# Altium PCB PCB4.PcbDoc (part 8 of 12) (continued)
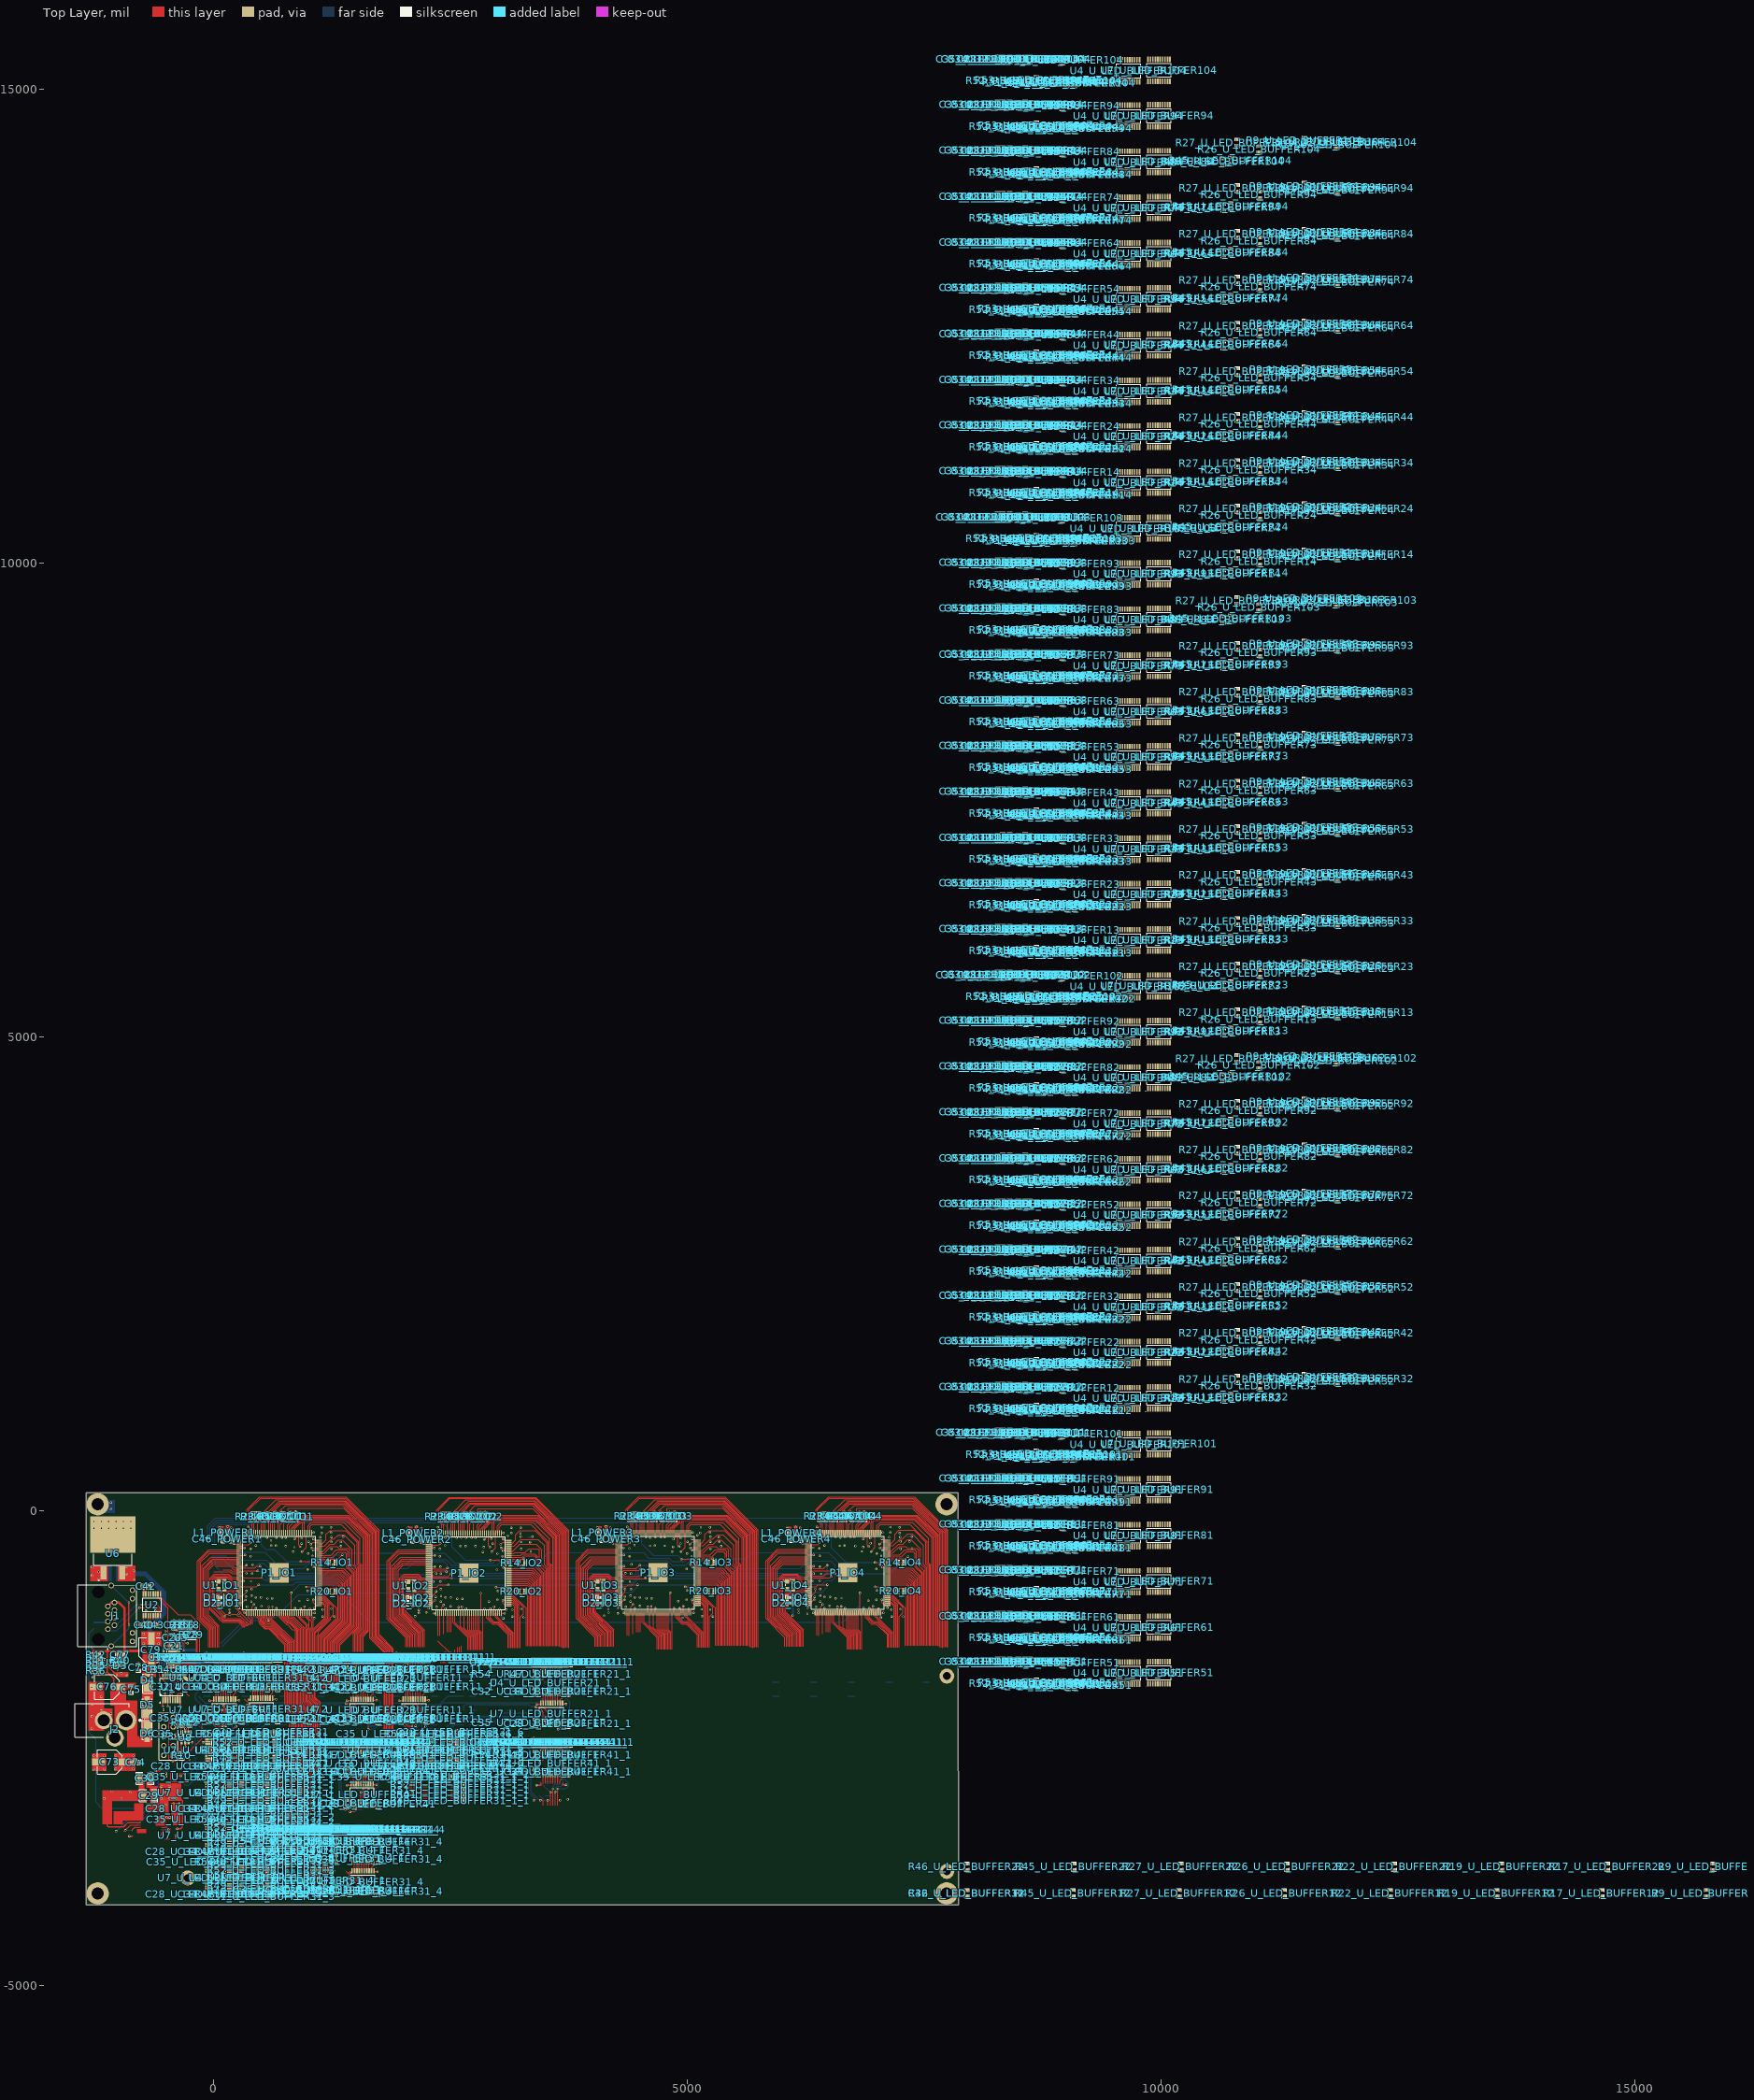
[diagram p0: Top Layer view]
## Nets (pads, with @x,y where several pads share a name; then routed paths per layer and width w, separated by ;. In a path a pad name is that pad's centre, name@x,y a point inside that pad or via, vN(x,y) a via of type N, cw(c..) or ccw(c..) an arc to the next point about the centre after c; other vN are vias at no path point) (continued)
L_OUT7_U_LED_BUFFER72: R45_U_LED_BUFFER72.2 U7_U_LED_BUFFER72.12
L_OUT7_U_LED_BUFFER73: R45_U_LED_BUFFER73.2 U7_U_LED_BUFFER73.12
L_OUT7_U_LED_BUFFER74: R45_U_LED_BUFFER74.2 U7_U_LED_BUFFER74.12
L_OUT7_U_LED_BUFFER81: R45_U_LED_BUFFER81.2 U7_U_LED_BUFFER81.12
L_OUT7_U_LED_BUFFER82: R45_U_LED_BUFFER82.2 U7_U_LED_BUFFER82.12
L_OUT7_U_LED_BUFFER83: R45_U_LED_BUFFER83.2 U7_U_LED_BUFFER83.12
L_OUT7_U_LED_BUFFER84: R45_U_LED_BUFFER84.2 U7_U_LED_BUFFER84.12
L_OUT7_U_LED_BUFFER91: R45_U_LED_BUFFER91.2 U7_U_LED_BUFFER91.12
L_OUT7_U_LED_BUFFER92: R45_U_LED_BUFFER92.2 U7_U_LED_BUFFER92.12
L_OUT7_U_LED_BUFFER93: R45_U_LED_BUFFER93.2 U7_U_LED_BUFFER93.12
L_OUT7_U_LED_BUFFER94: R45_U_LED_BUFFER94.2 U7_U_LED_BUFFER94.12
L_OUT7_U_LED_BUFFER101: R45_U_LED_BUFFER101.2 U7_U_LED_BUFFER101.12
L_OUT7_U_LED_BUFFER102: R45_U_LED_BUFFER102.2 U7_U_LED_BUFFER102.12
L_OUT7_U_LED_BUFFER103: R45_U_LED_BUFFER103.2 U7_U_LED_BUFFER103.12
L_OUT7_U_LED_BUFFER104: R45_U_LED_BUFFER104.2 U7_U_LED_BUFFER104.12
L_OUT8_U_LED_BUFFER11: R46_U_LED_BUFFER11.2 U7_U_LED_BUFFER11.11 | length 892.9
  Top Layer w7: U7_U_LED_BUFFER11.11@4.9,-2215.35 4.9,-2254.04 37.84,-2286.98 110,-2286.98 132.5,-2264.48 v1(134.39,-2264.48)
  Bottom Layer w7: v1(134.39,-2264.48) 134.39,-2260.44 130,-2256.05 205.69,-2180.36 205.69,-2086.96 252.65,-2040 385.87,-2040 475.87,-1950 R46_U_LED_BUFFER11.2@640,-1950
L_OUT8_U_LED_BUFFER12: R46_U_LED_BUFFER12.2 U7_U_LED_BUFFER12.11
L_OUT8_U_LED_BUFFER13: R46_U_LED_BUFFER13.2 U7_U_LED_BUFFER13.11
L_OUT8_U_LED_BUFFER14: R46_U_LED_BUFFER14.2 U7_U_LED_BUFFER14.11
L_OUT8_U_LED_BUFFER21: R46_U_LED_BUFFER21.2 U7_U_LED_BUFFER21.11 | length 1714.7
  Bottom Layer w7: R46_U_LED_BUFFER21.2@-160,-2250 -160,-2252.5 -148.5,-2264 -146,-2264 -109.02,-2300.98 186.07,-2300.98 201.15,-2285.9 201.15,-2238.85 256.89,-2183.11 824.39,-2183.11 830,-2177.5 1397.5,-2177.5 1425.68,-2205.68 1437.64,-2205.68 1440.57,-2208.61
  other v1: 1440.57,-2168.61
L_OUT8_U_LED_BUFFER22: R46_U_LED_BUFFER22.2 U7_U_LED_BUFFER22.11
L_OUT8_U_LED_BUFFER23: R46_U_LED_BUFFER23.2 U7_U_LED_BUFFER23.11
L_OUT8_U_LED_BUFFER24: R46_U_LED_BUFFER24.2 U7_U_LED_BUFFER24.11
L_OUT8_U_LED_BUFFER31: R46_U_LED_BUFFER31.2 U7_U_LED_BUFFER31.11 | length 1157.6
  Top Layer w7: U7_U_LED_BUFFER31.11@-55.67,-2404.84 -25.16,-2404.84 0,-2430 v1@10,-2430
  Bottom Layer w7: v1(5,-2430) 161.42,-2430 221.42,-2370 463.97,-2370 475.13,-2358.84 998.84,-2358.84 R46_U_LED_BUFFER31.2@1040,-2400
L_OUT8_U_LED_BUFFER32: R46_U_LED_BUFFER32.2 U7_U_LED_BUFFER32.11
L_OUT8_U_LED_BUFFER33: R46_U_LED_BUFFER33.2 U7_U_LED_BUFFER33.11
L_OUT8_U_LED_BUFFER34: R46_U_LED_BUFFER34.2 U7_U_LED_BUFFER34.11
L_OUT8_U_LED_BUFFER41: R46_U_LED_BUFFER41.2 U7_U_LED_BUFFER41.11 | length 1428.2
  Top Layer w7: v1@1390,-3150 1420,-3150 1454.84,-3115.16 U7_U_LED_BUFFER41.11@1454.84,-3105.67
  Bottom Layer w7: R46_U_LED_BUFFER41.2@640,-2550 640,-2540 690,-2490 890,-2490 990,-2590 1300,-2590 1330,-2620 1330,-2968.18 1389.32,-3027.5 1402.5,-3040.68 1402.5,-3137.5 v1(1390.22,-3149.78)
L_OUT8_U_LED_BUFFER42: R46_U_LED_BUFFER42.2 U7_U_LED_BUFFER42.11
L_OUT8_U_LED_BUFFER43: R46_U_LED_BUFFER43.2 U7_U_LED_BUFFER43.11
L_OUT8_U_LED_BUFFER44: R46_U_LED_BUFFER44.2 U7_U_LED_BUFFER44.11
L_OUT8_U_LED_BUFFER51: R46_U_LED_BUFFER51.2 U7_U_LED_BUFFER51.11
L_OUT8_U_LED_BUFFER52: R46_U_LED_BUFFER52.2 U7_U_LED_BUFFER52.11
L_OUT8_U_LED_BUFFER53: R46_U_LED_BUFFER53.2 U7_U_LED_BUFFER53.11
L_OUT8_U_LED_BUFFER54: R46_U_LED_BUFFER54.2 U7_U_LED_BUFFER54.11
L_OUT8_U_LED_BUFFER61: R46_U_LED_BUFFER61.2 U7_U_LED_BUFFER61.11
L_OUT8_U_LED_BUFFER62: R46_U_LED_BUFFER62.2 U7_U_LED_BUFFER62.11
L_OUT8_U_LED_BUFFER63: R46_U_LED_BUFFER63.2 U7_U_LED_BUFFER63.11
L_OUT8_U_LED_BUFFER64: R46_U_LED_BUFFER64.2 U7_U_LED_BUFFER64.11
L_OUT8_U_LED_BUFFER71: R46_U_LED_BUFFER71.2 U7_U_LED_BUFFER71.11
L_OUT8_U_LED_BUFFER72: R46_U_LED_BUFFER72.2 U7_U_LED_BUFFER72.11
L_OUT8_U_LED_BUFFER73: R46_U_LED_BUFFER73.2 U7_U_LED_BUFFER73.11
L_OUT8_U_LED_BUFFER74: R46_U_LED_BUFFER74.2 U7_U_LED_BUFFER74.11
L_OUT8_U_LED_BUFFER81: R46_U_LED_BUFFER81.2 U4_U_LED_BUFFER31_4_1.11 U7_U_LED_BUFFER81.11 | length 84.7
  Top Layer w15: U4_U_LED_BUFFER31_4_1.11@1004.84,-3685.67 1004.84,-3644.67 1034.33,-3615.18 v1(1036.28,-3615.18)
L_OUT8_U_LED_BUFFER82: R46_U_LED_BUFFER82.2 U7_U_LED_BUFFER82.11
L_OUT8_U_LED_BUFFER83: R46_U_LED_BUFFER83.2 U7_U_LED_BUFFER83.11
L_OUT8_U_LED_BUFFER84: R46_U_LED_BUFFER84.2 U7_U_LED_BUFFER84.11
L_OUT8_U_LED_BUFFER91: R46_U_LED_BUFFER91.2 U7_U_LED_BUFFER91.11
L_OUT8_U_LED_BUFFER92: R46_U_LED_BUFFER92.2 U7_U_LED_BUFFER92.11
L_OUT8_U_LED_BUFFER93: R46_U_LED_BUFFER93.2 U7_U_LED_BUFFER93.11
L_OUT8_U_LED_BUFFER94: R46_U_LED_BUFFER94.2 U7_U_LED_BUFFER94.11
L_OUT8_U_LED_BUFFER101: R46_U_LED_BUFFER101.2 U7_U_LED_BUFFER101.11
L_OUT8_U_LED_BUFFER102: R46_U_LED_BUFFER102.2 U7_U_LED_BUFFER102.11
L_OUT8_U_LED_BUFFER103: R46_U_LED_BUFFER103.2 U7_U_LED_BUFFER103.11
L_OUT8_U_LED_BUFFER104: R46_U_LED_BUFFER104.2 U7_U_LED_BUFFER104.11
LED0_IO1: P1_IO1.32 R8_IO1.2 | length 94.4
  Top Layer w10: v1(178.2,-912.3) 182.7,-916.8 P1_IO1.32@270.71,-916.8
LED0_IO2: P1_IO2.32 R8_IO2.2 | length 94.4
  Top Layer w10: v1(2179.3,-914.9) 2183.8,-919.4 P1_IO2.32@2271.81,-919.4
LED0_IO3: P1_IO3.32 R8_IO3.2 | length 94.4
  Top Layer w10: v1(4176.2,-911.45) 4180.7,-915.95 P1_IO3.32@4268.71,-915.95
LED0_IO4: P1_IO4.32 R8_IO4.2 | length 94.4
  Top Layer w10: v1(6179.2,-911.3) 6183.7,-915.8 P1_IO4.32@6271.71,-915.8
LED1_IO1: P1_IO1.33 R21_IO1.2 | length 111.6
  Top Layer w10: v1(175.2,-975.3) 198.1,-952.39 214.01,-936.49 P1_IO1.33@270.71,-936.49
LED1_IO2: P1_IO2.33 R21_IO2.2 | length 111.6
  Top Layer w10: v1(2176.3,-977.9) 2199.2,-954.99 2215.11,-939.09 P1_IO2.33@2271.81,-939.09
LED1_IO3: P1_IO3.33 R21_IO3.2 | length 111.6
  Top Layer w10: v1(4173.2,-974.45) 4196.1,-951.54 4212.01,-935.64 P1_IO3.33@4268.71,-935.64
LED1_IO4: P1_IO4.33 R21_IO4.2 | length 111.6
  Top Layer w10: v1(6176.2,-974.3) 6199.1,-951.39 6215.01,-935.49 P1_IO4.33@6271.71,-935.49
NetC18_1: C18.1 L4.1 U3.3 | length 472.6
  Top Layer w12: U3.3@-330.59,-1368.8 -330.59,-1383.8 -317.4,-1396.99 v1(-317.4,-1466.8)
  Bottom Layer w12: v1@-313.12,-1462.52 -302,-1451.4 C18.1@-302,-1227.16
  Bottom Layer w30: v1(-317.4,-1466.8) -194.28,-1466.8 L4.1@-190,-1462.52
NetC18_2: C18.2 R16.2
  other v1: -304,-1150.5
NetC21_2: C21.2 U3.1 | length 60.3
  Top Layer w10: C21.2@-386.18,-1422.4 -369.96,-1406.17 U3.1@-369.96,-1368.8
NetC22_2: C22.2 U3.7 | length 113.7
  Top Layer w12: C22.2@-412.49,-1227.16 -412.49,-1244.51 -391.19,-1265.8 -370.16,-1265.8 -350.27,-1285.7 U3.7@-350.27,-1302.82
NetC25_2: C25.2 R18.1 R28.1 R29.1 | length 131.5
  Top Layer w12: R18.1@-246.1,-1229.9 -246.2,-1230 v1(-246.2,-1257.1) -253.36,-1264.26 -253.36,-1270.13 R28.1@-258.58,-1275.35 R29.1@-207.4,-1275.35
  Bottom Layer w12: v1(-246.2,-1257.1) -246.2,-1227.56 C25.2@-246.1,-1227.46
NetC77_2: C77.2 U5.11 | length 101.2
  Top Layer w7: U5.11@-1060.61,-1590.96 -1048.69,-1590.96 -1037.66,-1579.92 -1037.66,-1549.27 C77.2@-1007.22,-1518.82
NetD1_IO1_1: D1_IO1.1 R8_IO1.1
  other v1: 121.3,-905.2
NetD1_IO2_1: D1_IO2.1 R8_IO2.1
  other v1: 2122.4,-907.8
NetD1_IO3_1: D1_IO3.1 R8_IO3.1
  other v1: 4119.3,-904.35
NetD1_IO4_1: D1_IO4.1 R8_IO4.1
  other v1: 6122.3,-904.2
NetD2_IO1_1: D2_IO1.1 R21_IO1.1 | length 18.7
  Bottom Layer w10: R21_IO1.1@103,-953.5 v1(121.7,-953.5)
NetD2_IO2_1: D2_IO2.1 R21_IO2.1 | length 18.7
  Bottom Layer w10: R21_IO2.1@2104.1,-956.1 v1(2122.8,-956.1)
NetD2_IO3_1: D2_IO3.1 R21_IO3.1 | length 18.7
  Bottom Layer w10: R21_IO3.1@4101,-952.65 v1(4119.7,-952.65)
NetD2_IO4_1: D2_IO4.1 R21_IO4.1 | length 18.7
  Bottom Layer w10: R21_IO4.1@6104,-952.5 v1(6122.7,-952.5)
NetD3_1: D3.1 R37.2
  other v1: -933.76,-1629.52
NetD3_2: D3.2 U5.9 | length 47.8
  Top Layer w7: U5.9@-1060.61,-1630.33 -1016.12,-1630.33 D3.2@-1013.77,-1627.98
NetD4_1: D4.1 D5.2
NetD7_U_LED_BUFFER11_2: D7_U_LED_BUFFER11.2 R9_U_LED_BUFFER11.1 | length 68.5
  Bottom Layer w7: R9_U_LED_BUFFER11.1@-100,-1800 D7_U_LED_BUFFER11.2@-31.5,-1800
NetD7_U_LED_BUFFER12_2: D7_U_LED_BUFFER12.2 R9_U_LED_BUFFER12.1
NetD7_U_LED_BUFFER13_2: D7_U_LED_BUFFER13.2 R9_U_LED_BUFFER13.1
NetD7_U_LED_BUFFER14_2: D7_U_LED_BUFFER14.2 R9_U_LED_BUFFER14.1
NetD7_U_LED_BUFFER21_2: D7_U_LED_BUFFER21.2 R9_U_LED_BUFFER21.1 | length 68.5
  Bottom Layer w7: R9_U_LED_BUFFER21.1@1100,-1950 D7_U_LED_BUFFER21.2@1168.5,-1950
NetD7_U_LED_BUFFER22_2: D7_U_LED_BUFFER22.2 R9_U_LED_BUFFER22.1
NetD7_U_LED_BUFFER23_2: D7_U_LED_BUFFER23.2 R9_U_LED_BUFFER23.1
NetD7_U_LED_BUFFER24_2: D7_U_LED_BUFFER24.2 R9_U_LED_BUFFER24.1
NetD7_U_LED_BUFFER31_2: D7_U_LED_BUFFER31.2 R9_U_LED_BUFFER31.1 | length 68.5
  Bottom Layer w7: R9_U_LED_BUFFER31.1@300,-2250 D7_U_LED_BUFFER31.2@368.5,-2250
NetD7_U_LED_BUFFER32_2: D7_U_LED_BUFFER32.2 R9_U_LED_BUFFER32.1
NetD7_U_LED_BUFFER33_2: D7_U_LED_BUFFER33.2 R9_U_LED_BUFFER33.1
NetD7_U_LED_BUFFER34_2: D7_U_LED_BUFFER34.2 R9_U_LED_BUFFER34.1
NetD7_U_LED_BUFFER41_2: D7_U_LED_BUFFER41.2 R9_U_LED_BUFFER41.1 | length 68.5
  Bottom Layer w7: R9_U_LED_BUFFER41.1@1500,-2400 D7_U_LED_BUFFER41.2@1568.5,-2400
NetD7_U_LED_BUFFER42_2: D7_U_LED_BUFFER42.2 R9_U_LED_BUFFER42.1
NetD7_U_LED_BUFFER43_2: D7_U_LED_BUFFER43.2 R9_U_LED_BUFFER43.1
NetD7_U_LED_BUFFER44_2: D7_U_LED_BUFFER44.2 R9_U_LED_BUFFER44.1
NetD7_U_LED_BUFFER51_2: D7_U_LED_BUFFER51.2 R9_U_LED_BUFFER51.1 | length 68.5
  Bottom Layer w7: R9_U_LED_BUFFER51.1@700,-2700 D7_U_LED_BUFFER51.2@768.5,-2700
NetD7_U_LED_BUFFER52_2: D7_U_LED_BUFFER52.2 R9_U_LED_BUFFER52.1
NetD7_U_LED_BUFFER53_2: D7_U_LED_BUFFER53.2 R9_U_LED_BUFFER53.1
NetD7_U_LED_BUFFER54_2: D7_U_LED_BUFFER54.2 R9_U_LED_BUFFER54.1
NetD7_U_LED_BUFFER61_2: D7_U_LED_BUFFER61.2 R9_U_LED_BUFFER61.1 | length 68.5
  Bottom Layer w7: R9_U_LED_BUFFER61.1@-100,-3000 D7_U_LED_BUFFER61.2@-31.5,-3000
NetD7_U_LED_BUFFER62_2: D7_U_LED_BUFFER62.2 R9_U_LED_BUFFER62.1
NetD7_U_LED_BUFFER63_2: D7_U_LED_BUFFER63.2 R9_U_LED_BUFFER63.1
NetD7_U_LED_BUFFER64_2: D7_U_LED_BUFFER64.2 R9_U_LED_BUFFER64.1
NetD7_U_LED_BUFFER71_2: D7_U_LED_BUFFER71.2 R9_U_LED_BUFFER71.1 | length 68.5
  Bottom Layer w7: R9_U_LED_BUFFER71.1@1100,-3150 D7_U_LED_BUFFER71.2@1168.5,-3150
NetD7_U_LED_BUFFER72_2: D7_U_LED_BUFFER72.2 R9_U_LED_BUFFER72.1
NetD7_U_LED_BUFFER73_2: D7_U_LED_BUFFER73.2 R9_U_LED_BUFFER73.1
NetD7_U_LED_BUFFER74_2: D7_U_LED_BUFFER74.2 R9_U_LED_BUFFER74.1
NetD7_U_LED_BUFFER81_2: D7_U_LED_BUFFER81.2 R9_U_LED_BUFFER81.1 | length 68.5
  Bottom Layer w7: R9_U_LED_BUFFER81.1@300,-3450 D7_U_LED_BUFFER81.2@368.5,-3450
NetD7_U_LED_BUFFER82_2: D7_U_LED_BUFFER82.2 R9_U_LED_BUFFER82.1
NetD7_U_LED_BUFFER83_2: D7_U_LED_BUFFER83.2 R9_U_LED_BUFFER83.1
NetD7_U_LED_BUFFER84_2: D7_U_LED_BUFFER84.2 R9_U_LED_BUFFER84.1
NetD7_U_LED_BUFFER91_2: D7_U_LED_BUFFER91.2 R9_U_LED_BUFFER91.1 U4_U_LED_BUFFER31_4.11 | length 153.2
  Top Layer w15: U4_U_LED_BUFFER31_4.11@1464.84,-3695.67 1464.84,-3654.67 1494.33,-3625.18 v1(1496.28,-3625.18)
  Bottom Layer w7: R9_U_LED_BUFFER91.1@1500,-3600 D7_U_LED_BUFFER91.2@1568.5,-3600
NetD7_U_LED_BUFFER92_2: D7_U_LED_BUFFER92.2 R9_U_LED_BUFFER92.1
NetD7_U_LED_BUFFER93_2: D7_U_LED_BUFFER93.2 R9_U_LED_BUFFER93.1
NetD7_U_LED_BUFFER94_2: D7_U_LED_BUFFER94.2 R9_U_LED_BUFFER94.1
NetD7_U_LED_BUFFER101_2: D7_U_LED_BUFFER101.2 R9_U_LED_BUFFER101.1 | length 68.5
  Bottom Layer w7: R9_U_LED_BUFFER101.1@700,-3900 D7_U_LED_BUFFER101.2@768.5,-3900
NetD7_U_LED_BUFFER102_2: D7_U_LED_BUFFER102.2 R9_U_LED_BUFFER102.1
NetD7_U_LED_BUFFER103_2: D7_U_LED_BUFFER103.2 R9_U_LED_BUFFER103.1
NetD7_U_LED_BUFFER104_2: D7_U_LED_BUFFER104.2 R9_U_LED_BUFFER104.1
NetD8_U_LED_BUFFER11_2: D8_U_LED_BUFFER11.2 R17_U_LED_BUFFER11.1 | length 68.5
  Bottom Layer w7: R17_U_LED_BUFFER11.1@300,-1800 D8_U_LED_BUFFER11.2@368.5,-1800
NetD8_U_LED_BUFFER12_2: D8_U_LED_BUFFER12.2 R17_U_LED_BUFFER12.1
NetD8_U_LED_BUFFER13_2: D8_U_LED_BUFFER13.2 R17_U_LED_BUFFER13.1
NetD8_U_LED_BUFFER14_2: D8_U_LED_BUFFER14.2 R17_U_LED_BUFFER14.1
NetD8_U_LED_BUFFER21_2: D8_U_LED_BUFFER21.2 R17_U_LED_BUFFER21.1 | length 68.5
  Bottom Layer w7: R17_U_LED_BUFFER21.1@1500,-1950 D8_U_LED_BUFFER21.2@1568.5,-1950
NetD8_U_LED_BUFFER22_2: D8_U_LED_BUFFER22.2 R17_U_LED_BUFFER22.1
NetD8_U_LED_BUFFER23_2: D8_U_LED_BUFFER23.2 R17_U_LED_BUFFER23.1
NetD8_U_LED_BUFFER24_2: D8_U_LED_BUFFER24.2 R17_U_LED_BUFFER24.1
NetD8_U_LED_BUFFER31_2: D8_U_LED_BUFFER31.2 R17_U_LED_BUFFER31.1 | length 68.5
  Bottom Layer w7: R17_U_LED_BUFFER31.1@700,-2250 D8_U_LED_BUFFER31.2@768.5,-2250
NetD8_U_LED_BUFFER32_2: D8_U_LED_BUFFER32.2 R17_U_LED_BUFFER32.1
NetD8_U_LED_BUFFER33_2: D8_U_LED_BUFFER33.2 R17_U_LED_BUFFER33.1
NetD8_U_LED_BUFFER34_2: D8_U_LED_BUFFER34.2 R17_U_LED_BUFFER34.1
NetD8_U_LED_BUFFER41_2: D8_U_LED_BUFFER41.2 R17_U_LED_BUFFER41.1 | length 68.5
  Bottom Layer w7: R17_U_LED_BUFFER41.1@1500,-2550 D8_U_LED_BUFFER41.2@1568.5,-2550
NetD8_U_LED_BUFFER42_2: D8_U_LED_BUFFER42.2 R17_U_LED_BUFFER42.1
NetD8_U_LED_BUFFER43_2: D8_U_LED_BUFFER43.2 R17_U_LED_BUFFER43.1
NetD8_U_LED_BUFFER44_2: D8_U_LED_BUFFER44.2 R17_U_LED_BUFFER44.1
NetD8_U_LED_BUFFER51_2: D8_U_LED_BUFFER51.2 R17_U_LED_BUFFER51.1 | length 68.5
  Bottom Layer w7: R17_U_LED_BUFFER51.1@1100,-2700 D8_U_LED_BUFFER51.2@1168.5,-2700
NetD8_U_LED_BUFFER52_2: D8_U_LED_BUFFER52.2 R17_U_LED_BUFFER52.1
NetD8_U_LED_BUFFER53_2: D8_U_LED_BUFFER53.2 R17_U_LED_BUFFER53.1
NetD8_U_LED_BUFFER54_2: D8_U_LED_BUFFER54.2 R17_U_LED_BUFFER54.1
NetD8_U_LED_BUFFER61_2: D8_U_LED_BUFFER61.2 R17_U_LED_BUFFER61.1 | length 68.5
  Bottom Layer w7: R17_U_LED_BUFFER61.1@300,-3000 D8_U_LED_BUFFER61.2@368.5,-3000
NetD8_U_LED_BUFFER62_2: D8_U_LED_BUFFER62.2 R17_U_LED_BUFFER62.1
NetD8_U_LED_BUFFER63_2: D8_U_LED_BUFFER63.2 R17_U_LED_BUFFER63.1
NetD8_U_LED_BUFFER64_2: D8_U_LED_BUFFER64.2 R17_U_LED_BUFFER64.1
NetD8_U_LED_BUFFER71_2: D7_U_LED_BUFFER61_1.2 D8_U_LED_BUFFER71.2 R17_U_LED_BUFFER71.1 | length 137
  Bottom Layer w7: 1900,-3000 D7_U_LED_BUFFER61_1.2@1968.5,-3000 ; R17_U_LED_BUFFER71.1@1920,-3000 D8_U_LED_BUFFER71.2@1988.5,-3000
NetD8_U_LED_BUFFER72_2: D8_U_LED_BUFFER72.2 R17_U_LED_BUFFER72.1
NetD8_U_LED_BUFFER73_2: D8_U_LED_BUFFER73.2 R17_U_LED_BUFFER73.1
NetD8_U_LED_BUFFER74_2: D8_U_LED_BUFFER74.2 R17_U_LED_BUFFER74.1
NetD8_U_LED_BUFFER81_2: D8_U_LED_BUFFER81.2 R17_U_LED_BUFFER81.1 | length 68.5
  Bottom Layer w7: R17_U_LED_BUFFER81.1@700,-3450 D8_U_LED_BUFFER81.2@768.5,-3450
NetD8_U_LED_BUFFER82_2: D8_U_LED_BUFFER82.2 R17_U_LED_BUFFER82.1
NetD8_U_LED_BUFFER83_2: D8_U_LED_BUFFER83.2 R17_U_LED_BUFFER83.1
NetD8_U_LED_BUFFER84_2: D8_U_LED_BUFFER84.2 R17_U_LED_BUFFER84.1
NetD8_U_LED_BUFFER91_2: D8_U_LED_BUFFER91.2 R17_U_LED_BUFFER91.1 | length 68.5
  Bottom Layer w7: R17_U_LED_BUFFER91.1@-100,-3750 D8_U_LED_BUFFER91.2@-31.5,-3750
NetD8_U_LED_BUFFER92_2: D8_U_LED_BUFFER92.2 R17_U_LED_BUFFER92.1
NetD8_U_LED_BUFFER93_2: D8_U_LED_BUFFER93.2 R17_U_LED_BUFFER93.1
NetD8_U_LED_BUFFER94_2: D8_U_LED_BUFFER94.2 R17_U_LED_BUFFER94.1
NetD8_U_LED_BUFFER101_2: D8_U_LED_BUFFER101.2 R17_U_LED_BUFFER101.1 | length 68.5
  Bottom Layer w7: R17_U_LED_BUFFER101.1@1100,-3900 D8_U_LED_BUFFER101.2@1168.5,-3900
NetD8_U_LED_BUFFER102_2: D8_U_LED_BUFFER102.2 R17_U_LED_BUFFER102.1
NetD8_U_LED_BUFFER103_2: D8_U_LED_BUFFER103.2 R17_U_LED_BUFFER103.1
NetD8_U_LED_BUFFER104_2: D8_U_LED_BUFFER104.2 R17_U_LED_BUFFER104.1
NetD9_U_LED_BUFFER11_2: D9_U_LED_BUFFER11.2 R19_U_LED_BUFFER11.1 | length 68.5
  Bottom Layer w7: R19_U_LED_BUFFER11.1@700,-1800 D9_U_LED_BUFFER11.2@768.5,-1800
NetD9_U_LED_BUFFER12_2: D9_U_LED_BUFFER12.2 R19_U_LED_BUFFER12.1
NetD9_U_LED_BUFFER13_2: D9_U_LED_BUFFER13.2 R19_U_LED_BUFFER13.1
NetD9_U_LED_BUFFER14_2: D9_U_LED_BUFFER14.2 R19_U_LED_BUFFER14.1
NetD9_U_LED_BUFFER21_2: D9_U_LED_BUFFER21.2 R19_U_LED_BUFFER21.1 | length 68.5
  Bottom Layer w7: R19_U_LED_BUFFER21.1@-100,-2100 D9_U_LED_BUFFER21.2@-31.5,-2100
NetD9_U_LED_BUFFER22_2: D9_U_LED_BUFFER22.2 R19_U_LED_BUFFER22.1
NetD9_U_LED_BUFFER23_2: D9_U_LED_BUFFER23.2 R19_U_LED_BUFFER23.1
NetD9_U_LED_BUFFER24_2: D9_U_LED_BUFFER24.2 R19_U_LED_BUFFER24.1
NetD9_U_LED_BUFFER31_2: D9_U_LED_BUFFER31.2 R19_U_LED_BUFFER31.1 | length 68.5
  Bottom Layer w7: R19_U_LED_BUFFER31.1@1100,-2250 D9_U_LED_BUFFER31.2@1168.5,-2250
NetD9_U_LED_BUFFER32_2: D9_U_LED_BUFFER32.2 R19_U_LED_BUFFER32.1
NetD9_U_LED_BUFFER33_2: D9_U_LED_BUFFER33.2 R19_U_LED_BUFFER33.1
NetD9_U_LED_BUFFER34_2: D9_U_LED_BUFFER34.2 R19_U_LED_BUFFER34.1
NetD9_U_LED_BUFFER41_2: D9_U_LED_BUFFER41.2 R19_U_LED_BUFFER41.1 | length 68.5
  Bottom Layer w7: R19_U_LED_BUFFER41.1@1500,-2700 D9_U_LED_BUFFER41.2@1568.5,-2700
NetD9_U_LED_BUFFER42_2: D9_U_LED_BUFFER42.2 R19_U_LED_BUFFER42.1
NetD9_U_LED_BUFFER43_2: D9_U_LED_BUFFER43.2 R19_U_LED_BUFFER43.1
NetD9_U_LED_BUFFER44_2: D9_U_LED_BUFFER44.2 R19_U_LED_BUFFER44.1
NetD9_U_LED_BUFFER51_2: D9_U_LED_BUFFER51.2 R19_U_LED_BUFFER51.1 | length 68.5
  Bottom Layer w7: R19_U_LED_BUFFER51.1@2050,-2550 D9_U_LED_BUFFER51.2@2118.5,-2550
NetD9_U_LED_BUFFER52_2: D9_U_LED_BUFFER52.2 R19_U_LED_BUFFER52.1
NetD9_U_LED_BUFFER53_2: D9_U_LED_BUFFER53.2 R19_U_LED_BUFFER53.1
NetD9_U_LED_BUFFER54_2: D9_U_LED_BUFFER54.2 R19_U_LED_BUFFER54.1
NetD9_U_LED_BUFFER61_2: D9_U_LED_BUFFER61.2 R19_U_LED_BUFFER61.1 | length 68.5
  Bottom Layer w7: R19_U_LED_BUFFER61.1@700,-3000 D9_U_LED_BUFFER61.2@768.5,-3000
NetD9_U_LED_BUFFER62_2: D9_U_LED_BUFFER62.2 R19_U_LED_BUFFER62.1
NetD9_U_LED_BUFFER63_2: D9_U_LED_BUFFER63.2 R19_U_LED_BUFFER63.1
NetD9_U_LED_BUFFER64_2: D9_U_LED_BUFFER64.2 R19_U_LED_BUFFER64.1
NetD9_U_LED_BUFFER71_2: D9_U_LED_BUFFER71.2 R19_U_LED_BUFFER71.1 | length 68.5
  Bottom Layer w7: R19_U_LED_BUFFER71.1@-100,-3300 D9_U_LED_BUFFER71.2@-31.5,-3300
NetD9_U_LED_BUFFER72_2: D9_U_LED_BUFFER72.2 R19_U_LED_BUFFER72.1
NetD9_U_LED_BUFFER73_2: D9_U_LED_BUFFER73.2 R19_U_LED_BUFFER73.1
NetD9_U_LED_BUFFER74_2: D9_U_LED_BUFFER74.2 R19_U_LED_BUFFER74.1
NetD9_U_LED_BUFFER81_2: D9_U_LED_BUFFER81.2 R19_U_LED_BUFFER81.1 | length 68.5
  Bottom Layer w7: R19_U_LED_BUFFER81.1@1100,-3450 D9_U_LED_BUFFER81.2@1168.5,-3450
NetD9_U_LED_BUFFER82_2: D9_U_LED_BUFFER82.2 R19_U_LED_BUFFER82.1
NetD9_U_LED_BUFFER83_2: D9_U_LED_BUFFER83.2 R19_U_LED_BUFFER83.1
NetD9_U_LED_BUFFER84_2: D9_U_LED_BUFFER84.2 R19_U_LED_BUFFER84.1
NetD9_U_LED_BUFFER91_2: D9_U_LED_BUFFER91.2 R19_U_LED_BUFFER91.1 | length 68.5
  Bottom Layer w7: R19_U_LED_BUFFER91.1@300,-3750 D9_U_LED_BUFFER91.2@368.5,-3750
NetD9_U_LED_BUFFER92_2: D9_U_LED_BUFFER92.2 R19_U_LED_BUFFER92.1
NetD9_U_LED_BUFFER93_2: D9_U_LED_BUFFER93.2 R19_U_LED_BUFFER93.1
NetD9_U_LED_BUFFER94_2: D9_U_LED_BUFFER94.2 R19_U_LED_BUFFER94.1
NetD9_U_LED_BUFFER101_2: D9_U_LED_BUFFER101.2 R19_U_LED_BUFFER101.1 | length 68.5
  Bottom Layer w7: R19_U_LED_BUFFER101.1@1500,-3900 D9_U_LED_BUFFER101.2@1568.5,-3900
NetD9_U_LED_BUFFER102_2: D9_U_LED_BUFFER102.2 R19_U_LED_BUFFER102.1
NetD9_U_LED_BUFFER103_2: D9_U_LED_BUFFER103.2 R19_U_LED_BUFFER103.1
NetD9_U_LED_BUFFER104_2: D9_U_LED_BUFFER104.2 R19_U_LED_BUFFER104.1
NetD10_U_LED_BUFFER11_2: D10_U_LED_BUFFER11.2 R22_U_LED_BUFFER11.1 | length 68.5
  Bottom Layer w7: R22_U_LED_BUFFER11.1@1100,-1800 D10_U_LED_BUFFER11.2@1168.5,-1800
NetD10_U_LED_BUFFER12_2: D10_U_LED_BUFFER12.2 R22_U_LED_BUFFER12.1
NetD10_U_LED_BUFFER13_2: D10_U_LED_BUFFER13.2 R22_U_LED_BUFFER13.1
NetD10_U_LED_BUFFER14_2: D10_U_LED_BUFFER14.2 R22_U_LED_BUFFER14.1
NetD10_U_LED_BUFFER21_2: D10_U_LED_BUFFER21.2 R22_U_LED_BUFFER21.1 U7_U_LED_BUFFER31_4_2.15 U7_U_LED_BUFFER31_4_2.16 | length 579.8
  Top Layer w7: v1@349.09,-2100.91 350.68,-2102.5 411.59,-2102.5 416.59,-2097.5 477.5,-2097.5 497.2,-2117.2 U7_U_LED_BUFFER31_4_2.15@497.2,-2205.67 ; v1(360,-2080) 360.67,-2079.33 479.13,-2079.33 522.8,-2123 U7_U_LED_BUFFER31_4_2.16@522.8,-2205.67
  Bottom Layer w7: R22_U_LED_BUFFER21.1@300,-2100 D10_U_LED_BUFFER21.2@368.5,-2100
  other v1: 338.08,-2102.1
NetD10_U_LED_BUFFER22_2: D10_U_LED_BUFFER22.2 R22_U_LED_BUFFER22.1
NetD10_U_LED_BUFFER23_2: D10_U_LED_BUFFER23.2 R22_U_LED_BUFFER23.1
NetD10_U_LED_BUFFER24_2: D10_U_LED_BUFFER24.2 R22_U_LED_BUFFER24.1
NetD10_U_LED_BUFFER31_2: D10_U_LED_BUFFER31.2 R22_U_LED_BUFFER31.1 | length 68.5
  Bottom Layer w7: R22_U_LED_BUFFER31.1@1500,-2250 D10_U_LED_BUFFER31.2@1568.5,-2250
NetD10_U_LED_BUFFER32_2: D10_U_LED_BUFFER32.2 R22_U_LED_BUFFER32.1
NetD10_U_LED_BUFFER33_2: D10_U_LED_BUFFER33.2 R22_U_LED_BUFFER33.1
NetD10_U_LED_BUFFER34_2: D10_U_LED_BUFFER34.2 R22_U_LED_BUFFER34.1
NetD10_U_LED_BUFFER41_2: D10_U_LED_BUFFER41.2 R22_U_LED_BUFFER41.1 | length 68.5
  Bottom Layer w7: R22_U_LED_BUFFER41.1@1500,-2850 D10_U_LED_BUFFER41.2@1568.5,-2850
NetD10_U_LED_BUFFER42_2: D10_U_LED_BUFFER42.2 R22_U_LED_BUFFER42.1
NetD10_U_LED_BUFFER43_2: D10_U_LED_BUFFER43.2 R22_U_LED_BUFFER43.1
NetD10_U_LED_BUFFER44_2: D10_U_LED_BUFFER44.2 R22_U_LED_BUFFER44.1
NetD10_U_LED_BUFFER51_2: D10_U_LED_BUFFER51.2 R22_U_LED_BUFFER51.1 | length 68.5
  Bottom Layer w7: R22_U_LED_BUFFER51.1@-100,-2850 D10_U_LED_BUFFER51.2@-31.5,-2850
NetD10_U_LED_BUFFER52_2: D10_U_LED_BUFFER52.2 R22_U_LED_BUFFER52.1
NetD10_U_LED_BUFFER53_2: D10_U_LED_BUFFER53.2 R22_U_LED_BUFFER53.1
NetD10_U_LED_BUFFER54_2: D10_U_LED_BUFFER54.2 R22_U_LED_BUFFER54.1
NetD10_U_LED_BUFFER61_2: D10_U_LED_BUFFER61.2 R22_U_LED_BUFFER61.1 | length 68.5
  Bottom Layer w7: R22_U_LED_BUFFER61.1@1100,-3000 D10_U_LED_BUFFER61.2@1168.5,-3000
NetD10_U_LED_BUFFER62_2: D10_U_LED_BUFFER62.2 R22_U_LED_BUFFER62.1
NetD10_U_LED_BUFFER63_2: D10_U_LED_BUFFER63.2 R22_U_LED_BUFFER63.1
NetD10_U_LED_BUFFER64_2: D10_U_LED_BUFFER64.2 R22_U_LED_BUFFER64.1
NetD10_U_LED_BUFFER71_2: D10_U_LED_BUFFER71.2 R22_U_LED_BUFFER71.1 | length 68.5
  Bottom Layer w7: R22_U_LED_BUFFER71.1@300,-3300 D10_U_LED_BUFFER71.2@368.5,-3300
NetD10_U_LED_BUFFER72_2: D10_U_LED_BUFFER72.2 R22_U_LED_BUFFER72.1
NetD10_U_LED_BUFFER73_2: D10_U_LED_BUFFER73.2 R22_U_LED_BUFFER73.1
NetD10_U_LED_BUFFER74_2: D10_U_LED_BUFFER74.2 R22_U_LED_BUFFER74.1
NetD10_U_LED_BUFFER81_2: D10_U_LED_BUFFER81.2 R22_U_LED_BUFFER81.1 | length 68.5
  Bottom Layer w7: R22_U_LED_BUFFER81.1@1500,-3450 D10_U_LED_BUFFER81.2@1568.5,-3450
NetD10_U_LED_BUFFER82_2: D10_U_LED_BUFFER82.2 R22_U_LED_BUFFER82.1
NetD10_U_LED_BUFFER83_2: D10_U_LED_BUFFER83.2 R22_U_LED_BUFFER83.1
NetD10_U_LED_BUFFER84_2: D10_U_LED_BUFFER84.2 R22_U_LED_BUFFER84.1
NetD10_U_LED_BUFFER91_2: D10_U_LED_BUFFER91.2 R22_U_LED_BUFFER91.1 | length 68.5
  Bottom Layer w7: R22_U_LED_BUFFER91.1@700,-3750 D10_U_LED_BUFFER91.2@768.5,-3750
NetD10_U_LED_BUFFER92_2: D10_U_LED_BUFFER92.2 R22_U_LED_BUFFER92.1
NetD10_U_LED_BUFFER93_2: D10_U_LED_BUFFER93.2 R22_U_LED_BUFFER93.1
NetD10_U_LED_BUFFER94_2: D10_U_LED_BUFFER94.2 R22_U_LED_BUFFER94.1
NetD10_U_LED_BUFFER101_2: D10_U_LED_BUFFER101.2 R22_U_LED_BUFFER101.1
NetD10_U_LED_BUFFER102_2: D10_U_LED_BUFFER102.2 R22_U_LED_BUFFER102.1
NetD10_U_LED_BUFFER103_2: D10_U_LED_BUFFER103.2 R22_U_LED_BUFFER103.1
NetD10_U_LED_BUFFER104_2: D10_U_LED_BUFFER104.2 R22_U_LED_BUFFER104.1
NetD11_U_LED_BUFFER11_2: D11_U_LED_BUFFER11.2 R26_U_LED_BUFFER11.1 | length 68.5
  Bottom Layer w7: R26_U_LED_BUFFER11.1@1490,-1800 D11_U_LED_BUFFER11.2@1558.5,-1800
NetD11_U_LED_BUFFER12_2: D11_U_LED_BUFFER12.2 R26_U_LED_BUFFER12.1
NetD11_U_LED_BUFFER13_2: D11_U_LED_BUFFER13.2 R26_U_LED_BUFFER13.1
NetD11_U_LED_BUFFER14_2: D11_U_LED_BUFFER14.2 R26_U_LED_BUFFER14.1
NetD11_U_LED_BUFFER21_2: D11_U_LED_BUFFER21.2 R26_U_LED_BUFFER21.1 | length 68.5
  Bottom Layer w7: R26_U_LED_BUFFER21.1@700,-2100 D11_U_LED_BUFFER21.2@768.5,-2100
NetD11_U_LED_BUFFER22_2: D11_U_LED_BUFFER22.2 R26_U_LED_BUFFER22.1
NetD11_U_LED_BUFFER23_2: D11_U_LED_BUFFER23.2 R26_U_LED_BUFFER23.1
NetD11_U_LED_BUFFER24_2: D11_U_LED_BUFFER24.2 R26_U_LED_BUFFER24.1
NetD11_U_LED_BUFFER31_2: D11_U_LED_BUFFER31.2 R26_U_LED_BUFFER31.1 | length 68.5
  Bottom Layer w7: R26_U_LED_BUFFER31.1@-100,-2400 D11_U_LED_BUFFER31.2@-31.5,-2400
NetD11_U_LED_BUFFER32_2: D11_U_LED_BUFFER32.2 R26_U_LED_BUFFER32.1
NetD11_U_LED_BUFFER33_2: D11_U_LED_BUFFER33.2 R26_U_LED_BUFFER33.1
NetD11_U_LED_BUFFER34_2: D11_U_LED_BUFFER34.2 R26_U_LED_BUFFER34.1
NetD11_U_LED_BUFFER41_2: D11_U_LED_BUFFER41.2 R26_U_LED_BUFFER41.1 | length 68.5
  Bottom Layer w7: R26_U_LED_BUFFER41.1@1500,-3000 D11_U_LED_BUFFER41.2@1568.5,-3000
NetD11_U_LED_BUFFER42_2: D11_U_LED_BUFFER42.2 R26_U_LED_BUFFER42.1
NetD11_U_LED_BUFFER43_2: D11_U_LED_BUFFER43.2 R26_U_LED_BUFFER43.1
NetD11_U_LED_BUFFER44_2: D11_U_LED_BUFFER44.2 R26_U_LED_BUFFER44.1
NetD11_U_LED_BUFFER51_2: D11_U_LED_BUFFER51.2 R26_U_LED_BUFFER51.1 | length 68.5
  Bottom Layer w7: R26_U_LED_BUFFER51.1@300,-2850 D11_U_LED_BUFFER51.2@368.5,-2850
NetD11_U_LED_BUFFER52_2: D11_U_LED_BUFFER52.2 R26_U_LED_BUFFER52.1
NetD11_U_LED_BUFFER53_2: D11_U_LED_BUFFER53.2 R26_U_LED_BUFFER53.1
NetD11_U_LED_BUFFER54_2: D11_U_LED_BUFFER54.2 R26_U_LED_BUFFER54.1
NetD11_U_LED_BUFFER61_2: D11_U_LED_BUFFER61.2 R26_U_LED_BUFFER61.1 | length 68.5
  Bottom Layer w7: R26_U_LED_BUFFER61.1@1910,-3120 D11_U_LED_BUFFER61.2@1978.5,-3120
NetD11_U_LED_BUFFER62_2: D11_U_LED_BUFFER62.2 R26_U_LED_BUFFER62.1
NetD11_U_LED_BUFFER63_2: D11_U_LED_BUFFER63.2 R26_U_LED_BUFFER63.1
NetD11_U_LED_BUFFER64_2: D11_U_LED_BUFFER64.2 R26_U_LED_BUFFER64.1
NetD11_U_LED_BUFFER71_2: D11_U_LED_BUFFER71.2 R26_U_LED_BUFFER71.1 | length 68.5
  Bottom Layer w7: R26_U_LED_BUFFER71.1@700,-3300 D11_U_LED_BUFFER71.2@768.5,-3300
NetD11_U_LED_BUFFER72_2: D11_U_LED_BUFFER72.2 R26_U_LED_BUFFER72.1
NetD11_U_LED_BUFFER73_2: D11_U_LED_BUFFER73.2 R26_U_LED_BUFFER73.1
NetD11_U_LED_BUFFER74_2: D11_U_LED_BUFFER74.2 R26_U_LED_BUFFER74.1
NetD11_U_LED_BUFFER81_2: D11_U_LED_BUFFER81.2 R26_U_LED_BUFFER81.1 | length 68.5
  Bottom Layer w7: R26_U_LED_BUFFER81.1@-100,-3600 D11_U_LED_BUFFER81.2@-31.5,-3600
NetD11_U_LED_BUFFER82_2: D11_U_LED_BUFFER82.2 R26_U_LED_BUFFER82.1
NetD11_U_LED_BUFFER83_2: D11_U_LED_BUFFER83.2 R26_U_LED_BUFFER83.1
NetD11_U_LED_BUFFER84_2: D11_U_LED_BUFFER84.2 R26_U_LED_BUFFER84.1
NetD11_U_LED_BUFFER91_2: D11_U_LED_BUFFER91.2 R26_U_LED_BUFFER91.1 | length 68.5
  Bottom Layer w7: R26_U_LED_BUFFER91.1@1100,-3750 D11_U_LED_BUFFER91.2@1168.5,-3750
NetD11_U_LED_BUFFER92_2: D11_U_LED_BUFFER92.2 R26_U_LED_BUFFER92.1
NetD11_U_LED_BUFFER93_2: D11_U_LED_BUFFER93.2 R26_U_LED_BUFFER93.1
NetD11_U_LED_BUFFER94_2: D11_U_LED_BUFFER94.2 R26_U_LED_BUFFER94.1
NetD11_U_LED_BUFFER101_2: D11_U_LED_BUFFER101.2 R26_U_LED_BUFFER101.1
NetD11_U_LED_BUFFER102_2: D11_U_LED_BUFFER102.2 R26_U_LED_BUFFER102.1
NetD11_U_LED_BUFFER103_2: D11_U_LED_BUFFER103.2 R26_U_LED_BUFFER103.1
NetD11_U_LED_BUFFER104_2: D11_U_LED_BUFFER104.2 R26_U_LED_BUFFER104.1
NetD12_U_LED_BUFFER11_2: D12_U_LED_BUFFER11.2 R27_U_LED_BUFFER11.1 | length 68.5
  Bottom Layer w7: R27_U_LED_BUFFER11.1@-100,-1950 D12_U_LED_BUFFER11.2@-31.5,-1950
NetD12_U_LED_BUFFER12_2: D12_U_LED_BUFFER12.2 R27_U_LED_BUFFER12.1
NetD12_U_LED_BUFFER13_2: D12_U_LED_BUFFER13.2 R27_U_LED_BUFFER13.1
NetD12_U_LED_BUFFER14_2: D12_U_LED_BUFFER14.2 R27_U_LED_BUFFER14.1
NetD12_U_LED_BUFFER21_2: D12_U_LED_BUFFER21.2 R27_U_LED_BUFFER21.1 | length 68.5
  Bottom Layer w7: R27_U_LED_BUFFER21.1@1100,-2100 D12_U_LED_BUFFER21.2@1168.5,-2100
NetD12_U_LED_BUFFER22_2: D12_U_LED_BUFFER22.2 R27_U_LED_BUFFER22.1
NetD12_U_LED_BUFFER23_2: D12_U_LED_BUFFER23.2 R27_U_LED_BUFFER23.1
NetD12_U_LED_BUFFER24_2: D12_U_LED_BUFFER24.2 R27_U_LED_BUFFER24.1
NetD12_U_LED_BUFFER31_2: D12_U_LED_BUFFER31.2 R27_U_LED_BUFFER31.1 | length 68.5
  Bottom Layer w7: R27_U_LED_BUFFER31.1@300,-2400 D12_U_LED_BUFFER31.2@368.5,-2400
NetD12_U_LED_BUFFER32_2: D12_U_LED_BUFFER32.2 R27_U_LED_BUFFER32.1